# Altium PCB GridSeed_Rev04.PcbDoc (part 1 of 6)
Units mm, origin at the board's own origin, x right, y up, seen from the top; angles counter-clockwise.
Board outline 91 x 132.3 mm, 4 copper layers (L1, L2, L3, L4), stack 1.577 mm thick; 519 components, 141 nets, 2171 pads, 2470 vias.
Unrouted connection lines stored in the file: 1.
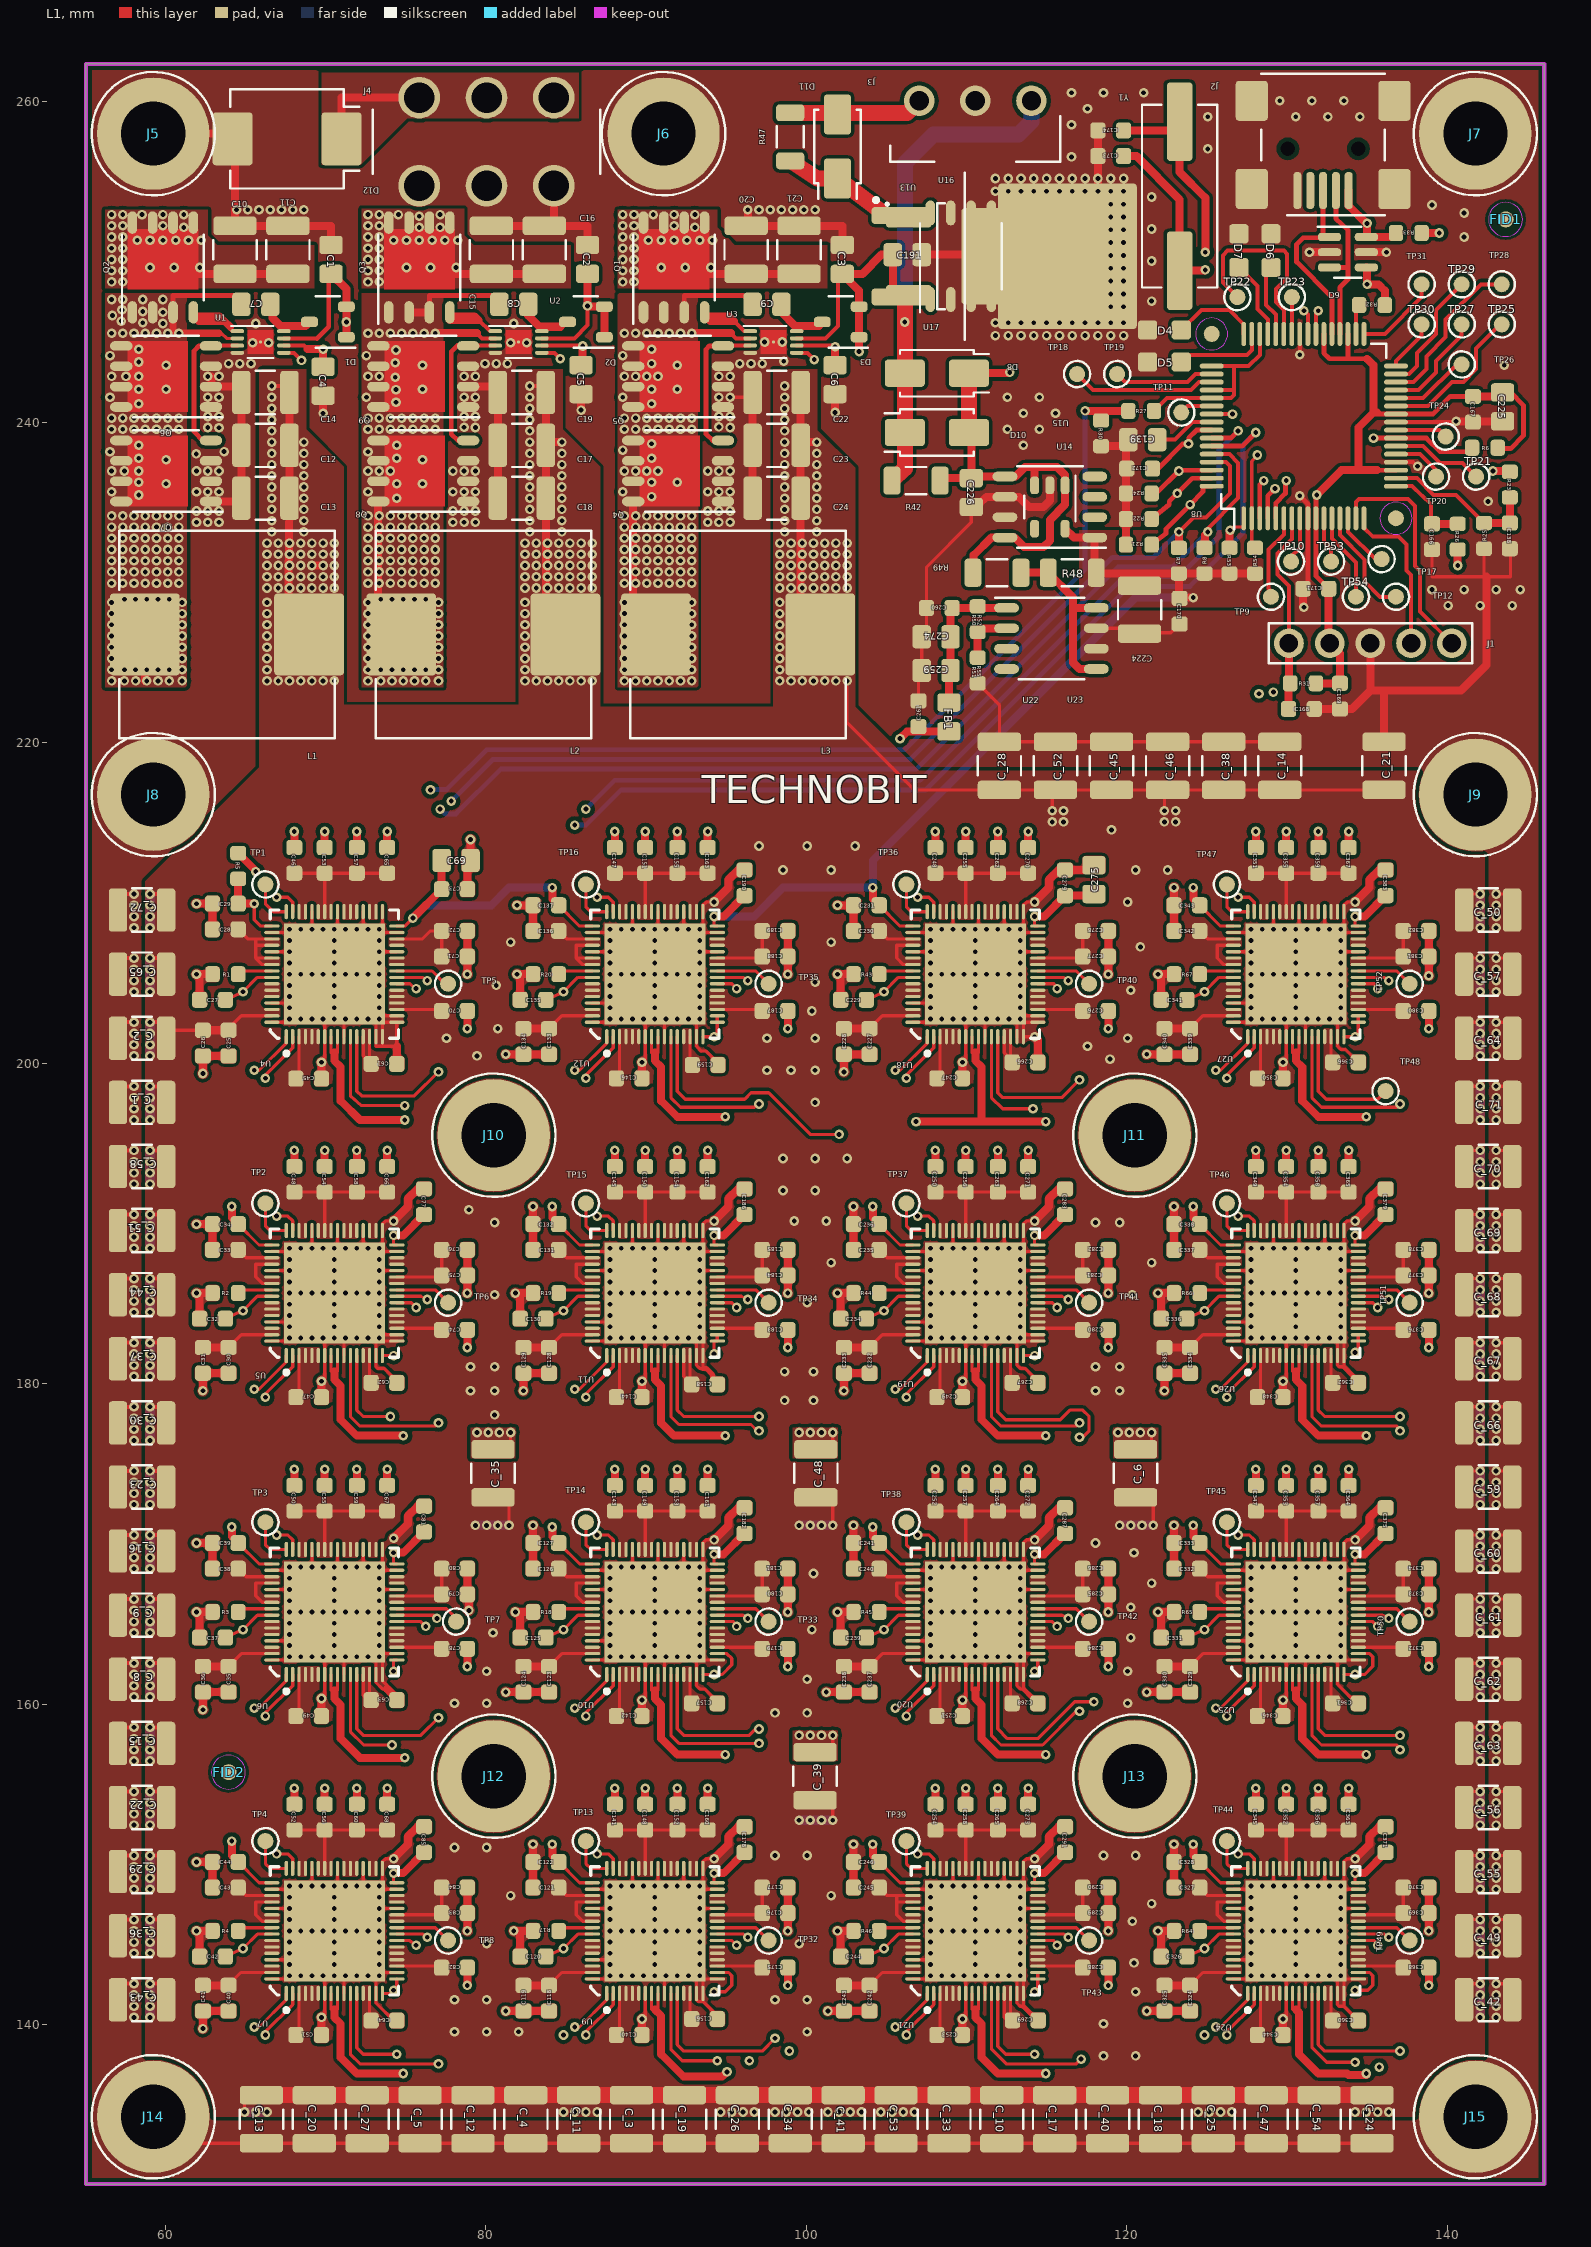
[diagram p0: L1 view]
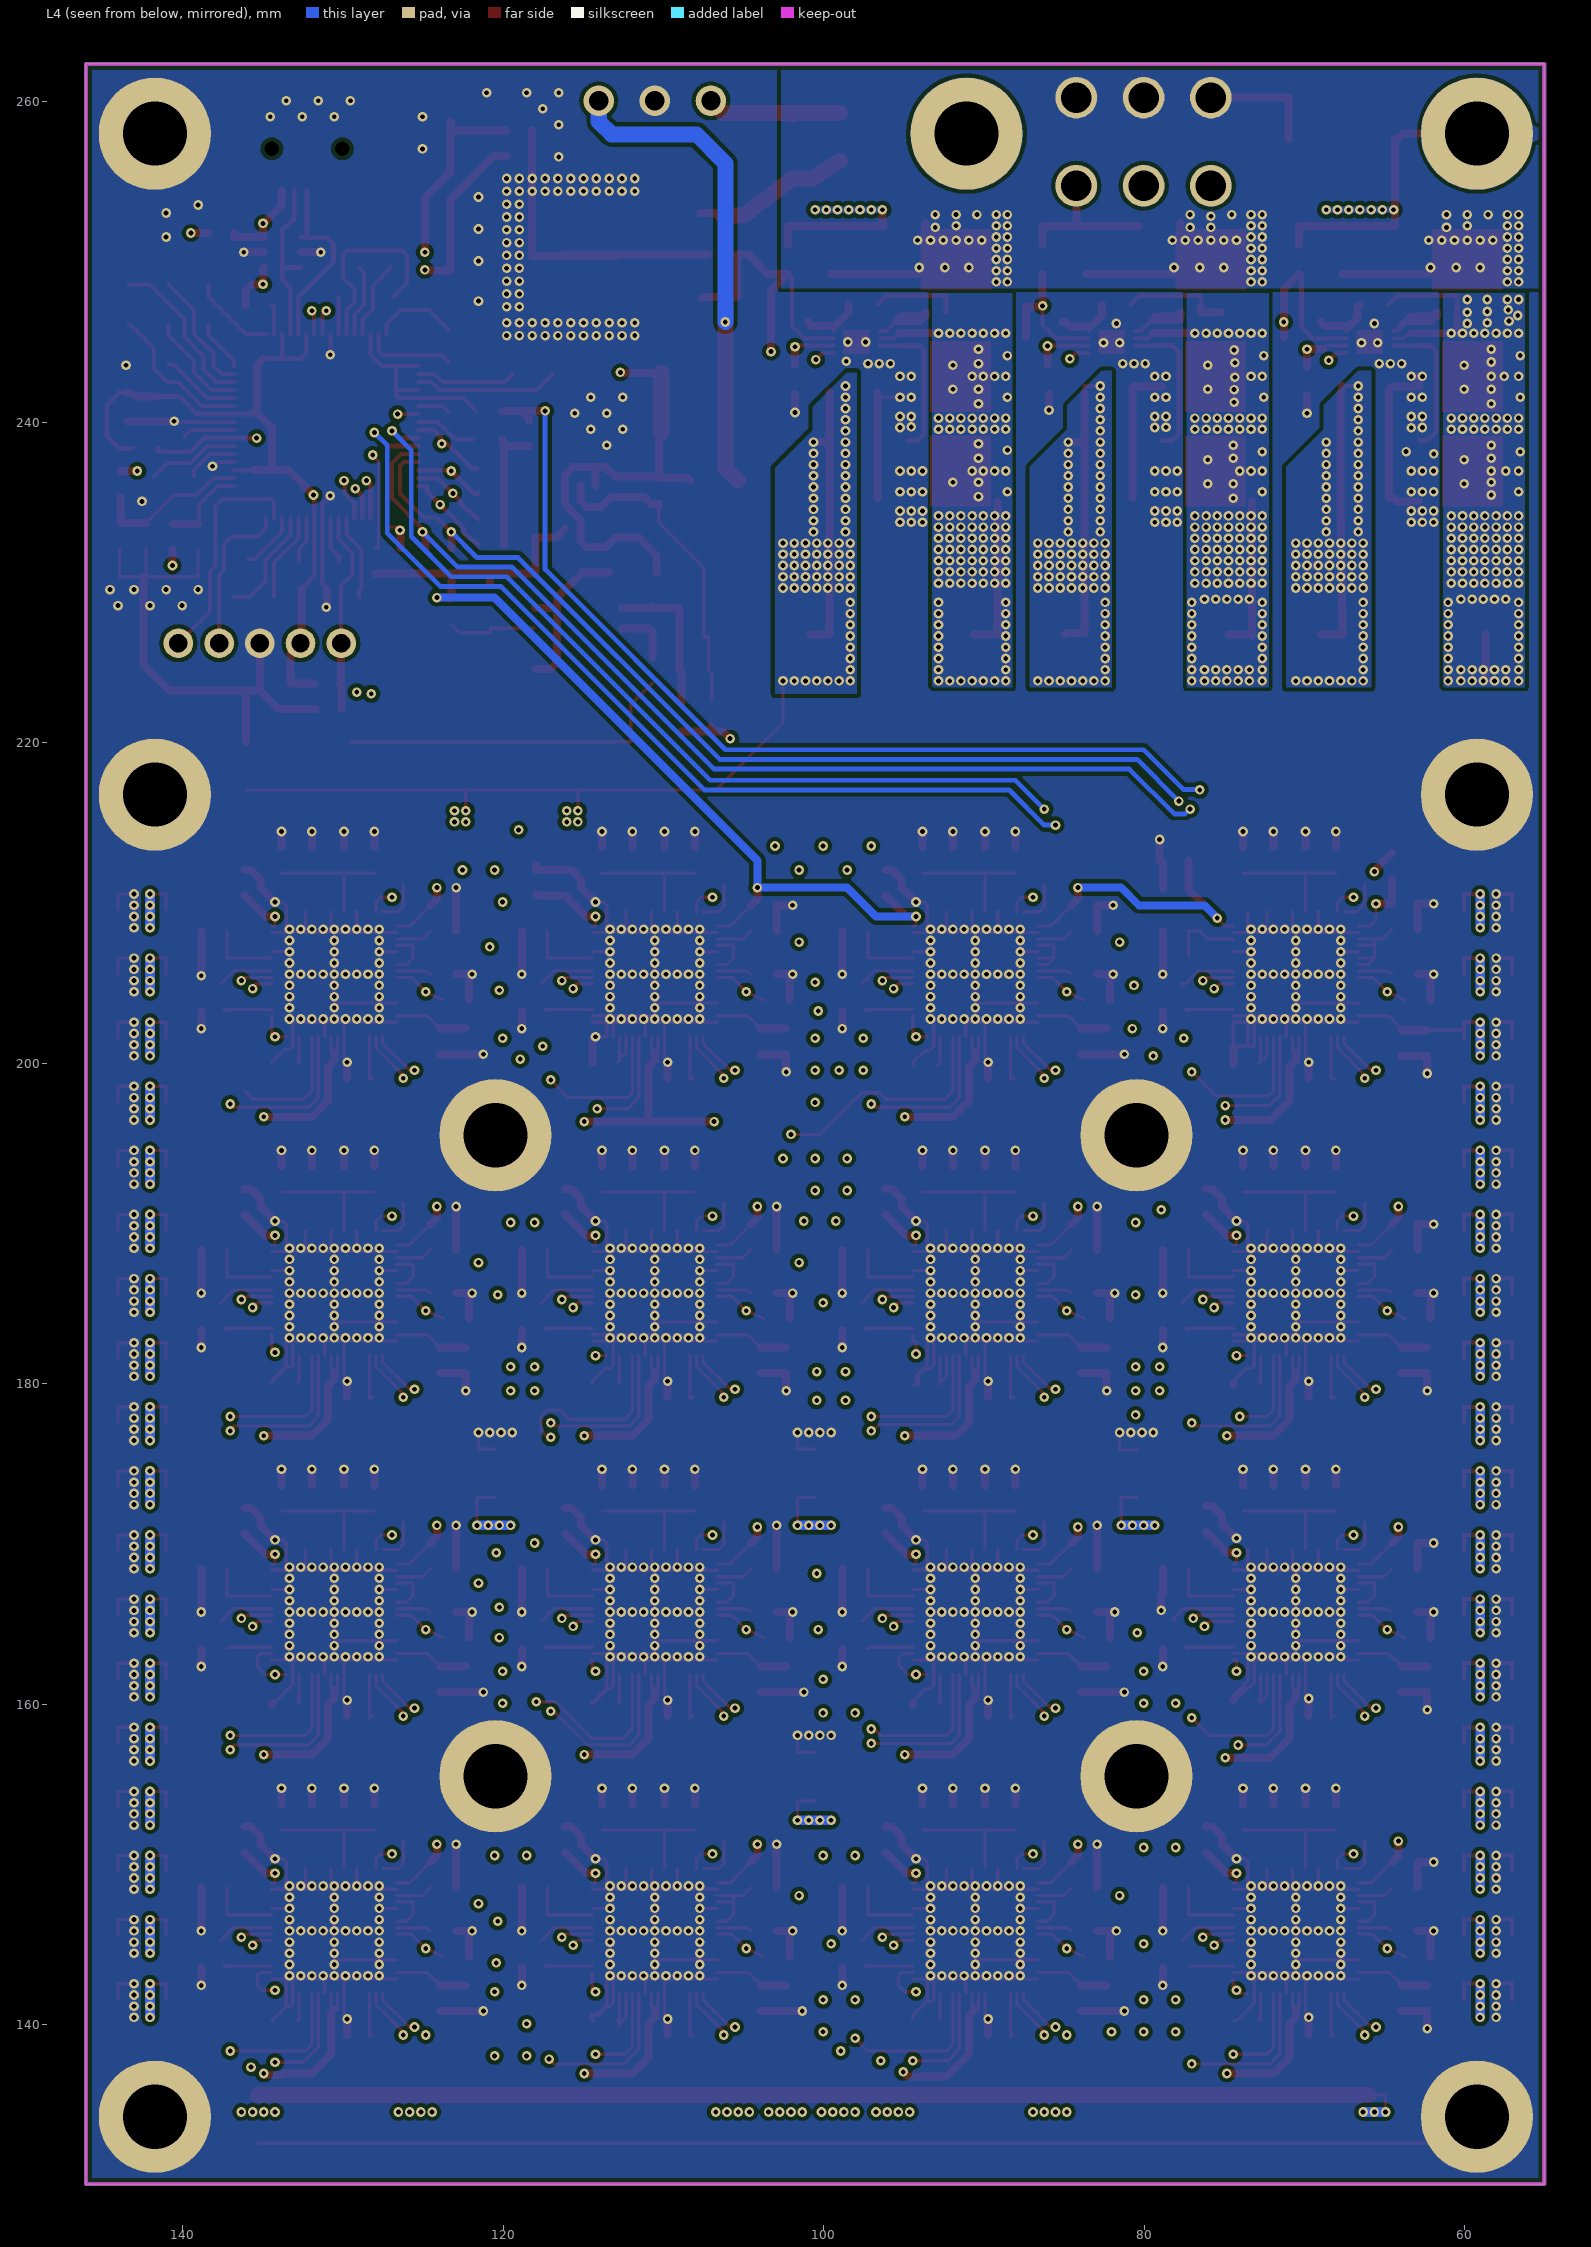
[diagram p1: L4 view, seen from below]
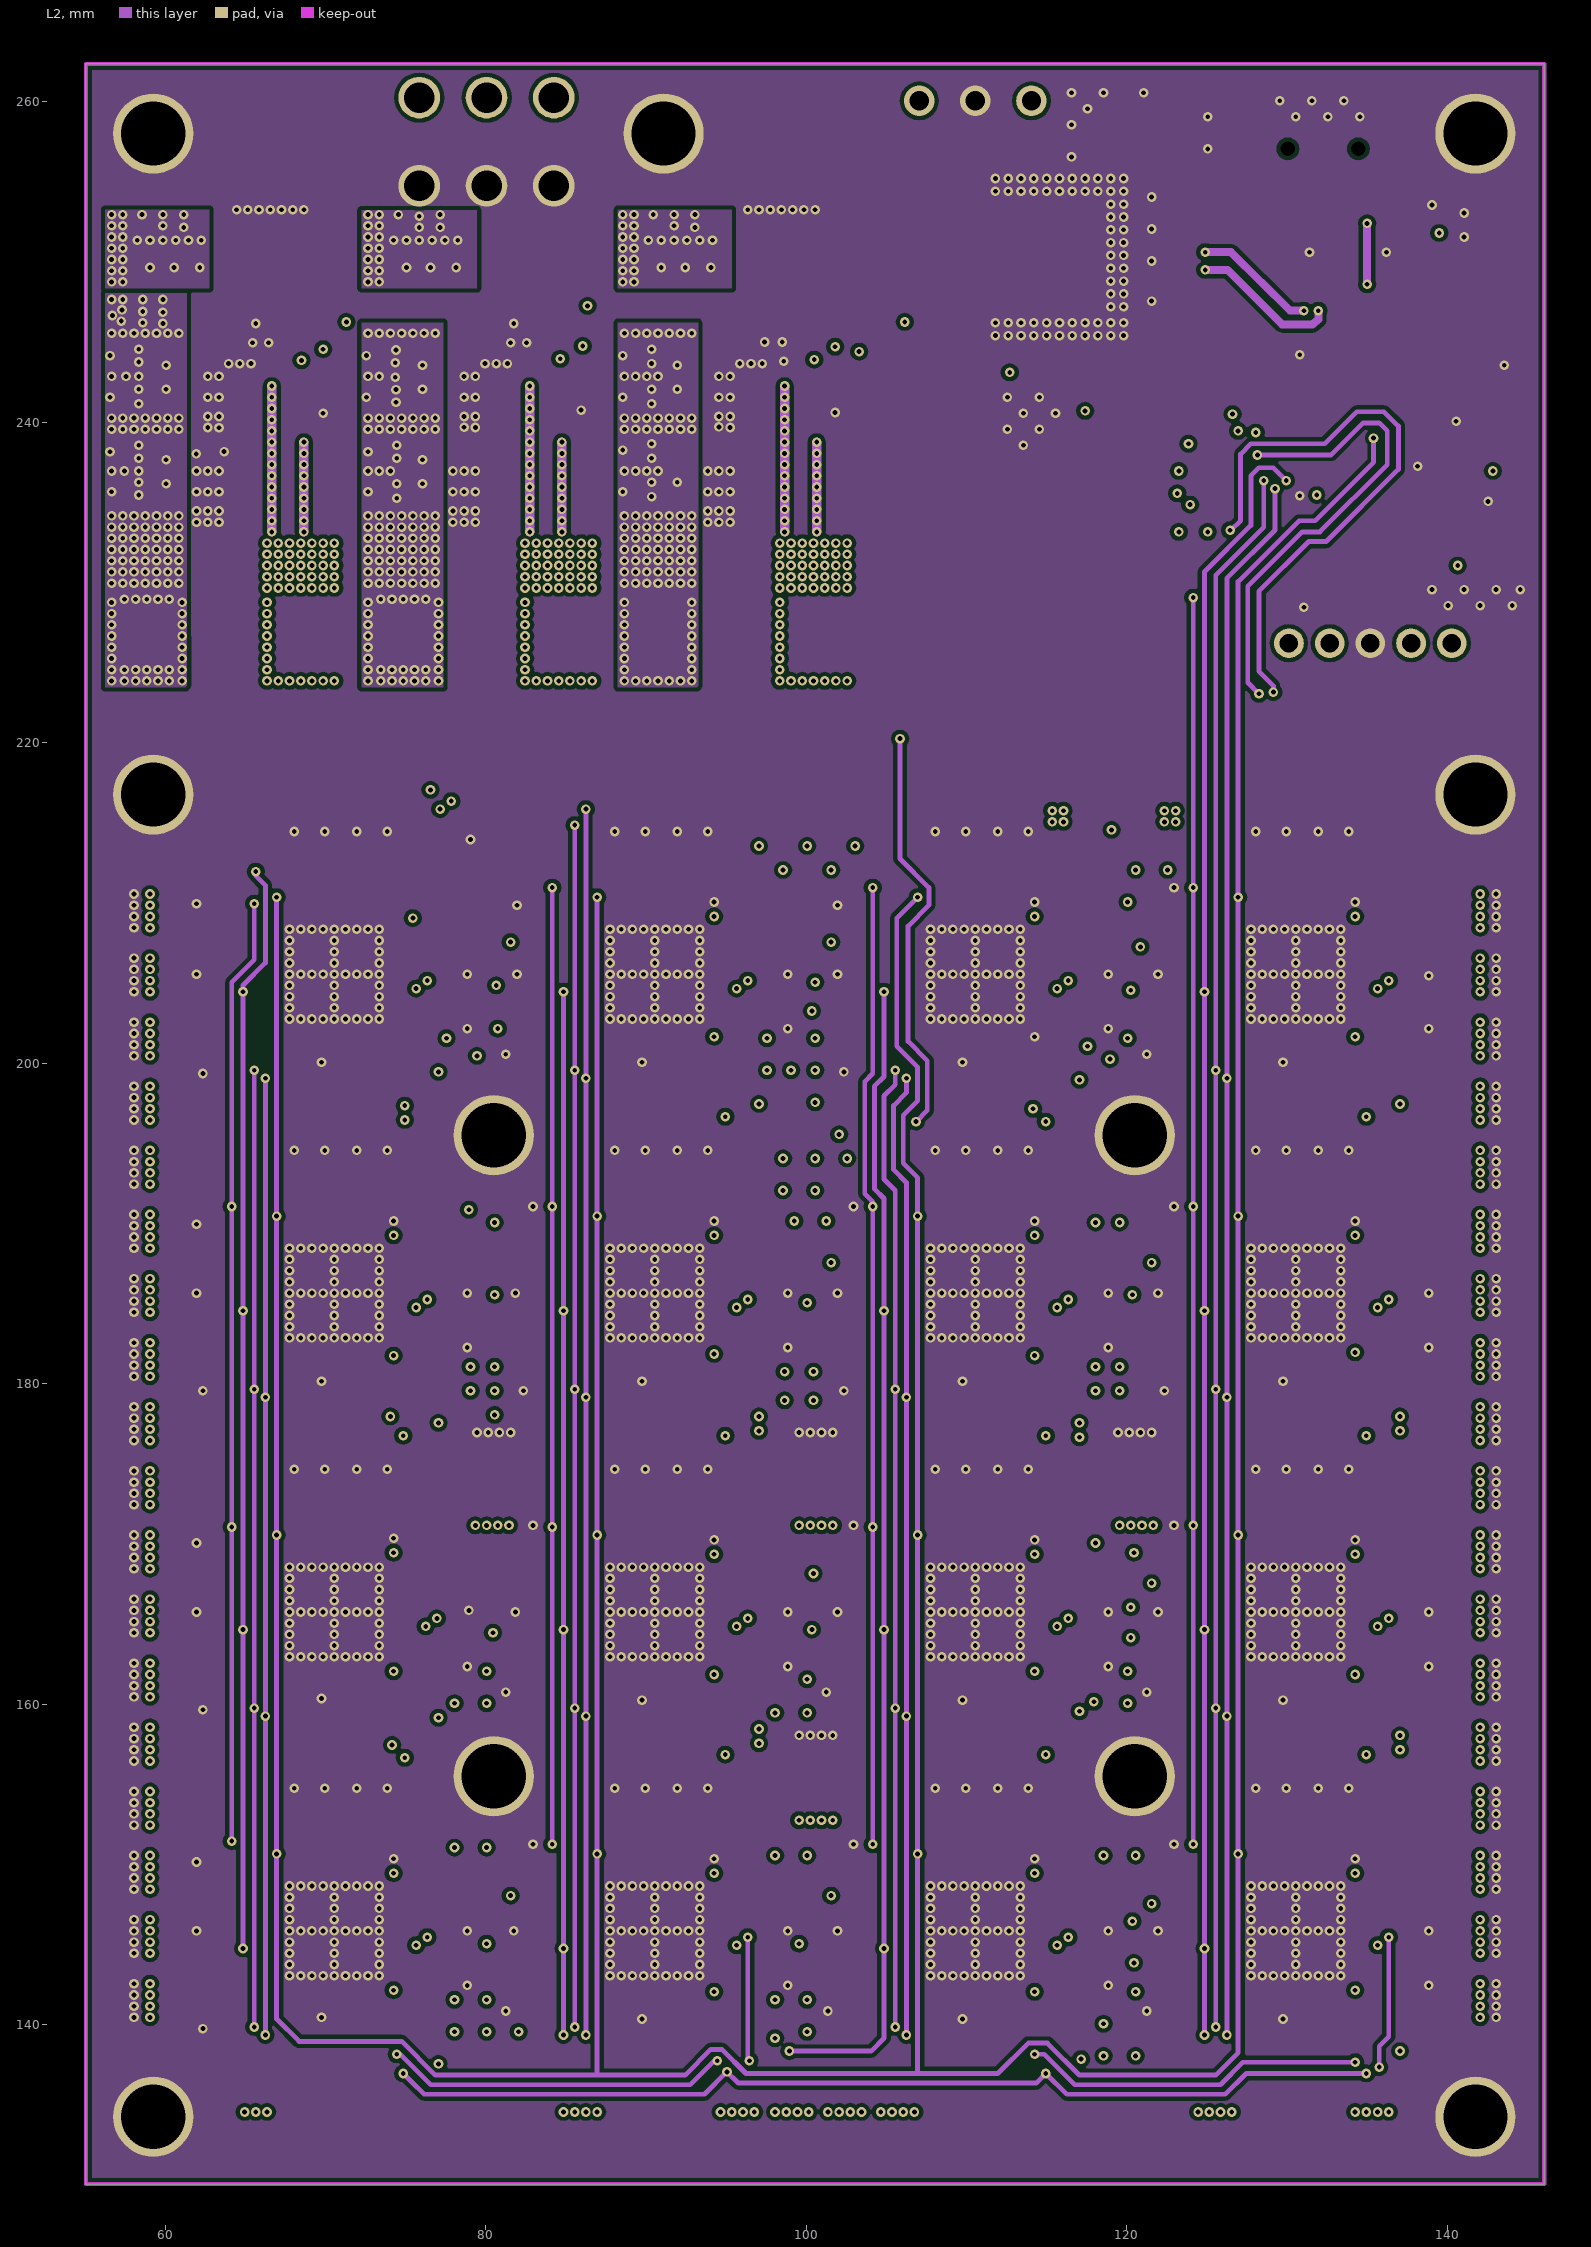
[diagram p2: L2]